# Allegro board Learn.brd (continued)
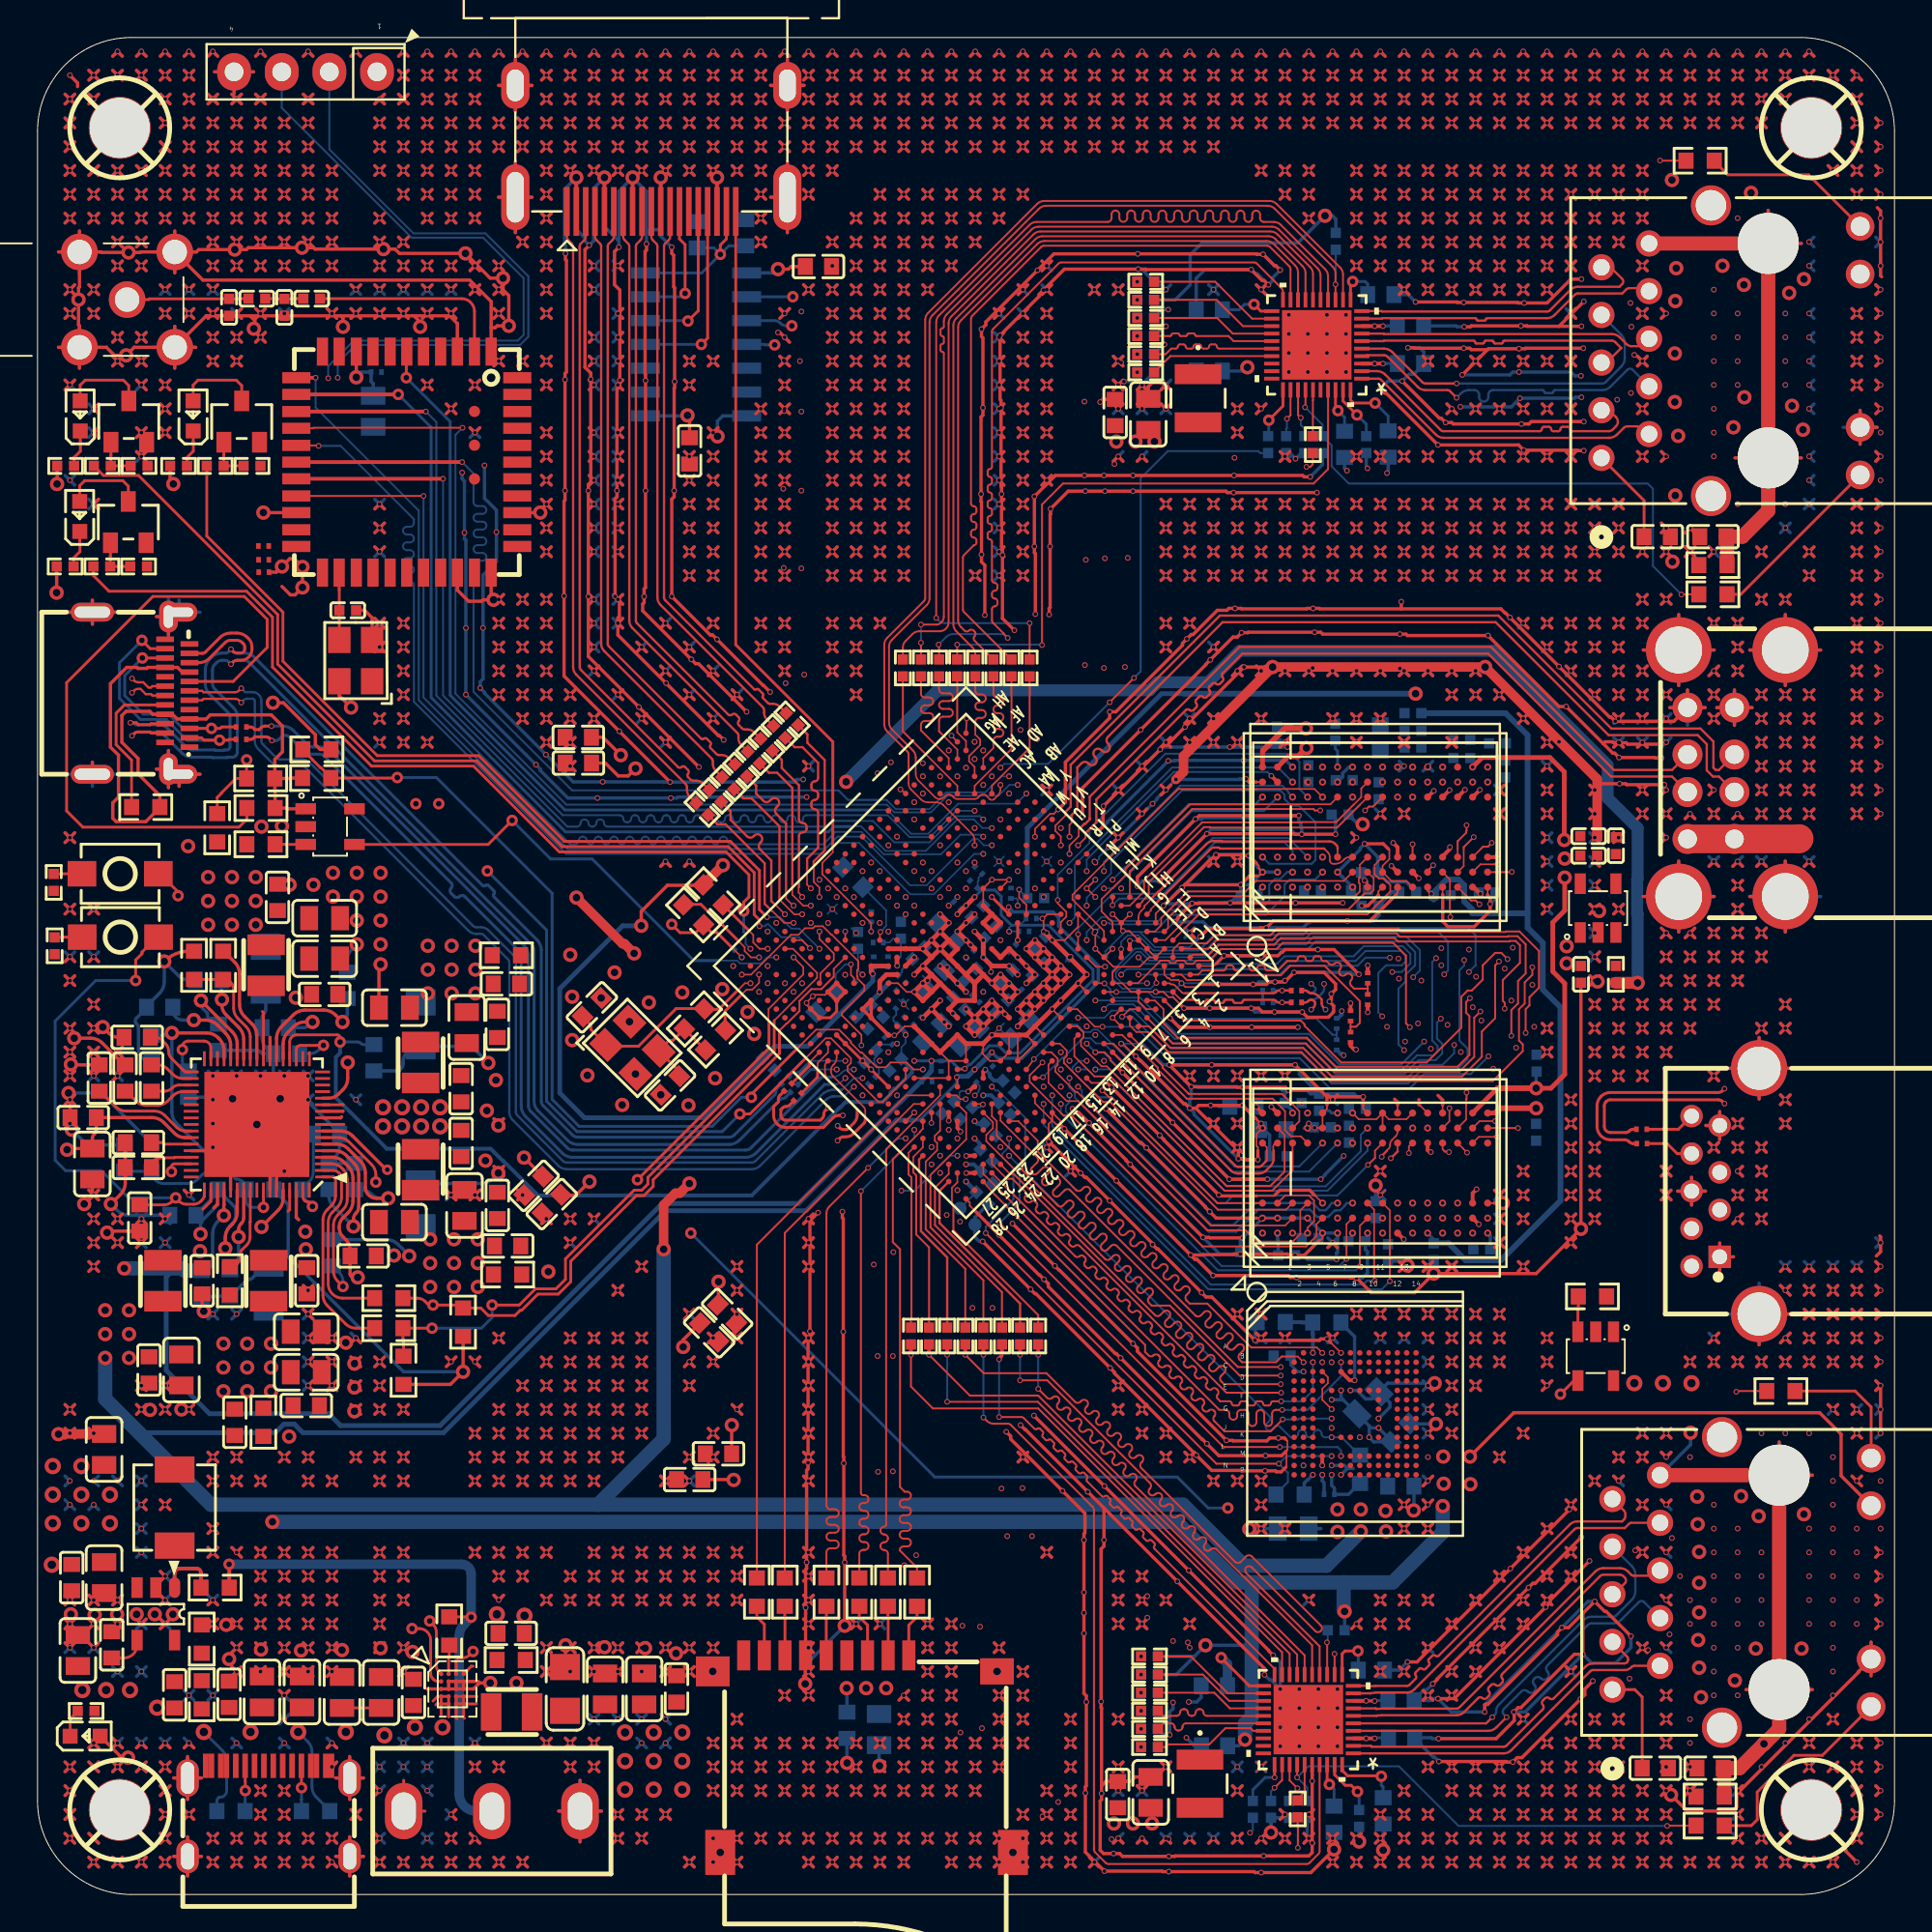
[diagram p0: board, top side]
## Routing (per net, layer and track width the routed paths; a pad name or vN(x,y) marks a point on that pad's centre or on a via; arc(x,y) is an arc through that point) (continued)
DDR4_DQU6_A: length 15.7
  TOP w0.089: 55.47,50.41 v1(55.47,51.18)
  BOTTOM w0.089: v1(55.47,51.18) 55.47,51.5 57.3,53.34 59.11,53.34
  BOTTOM w0.104: 59.11,53.34 59.67,53.34 62.64,56.31 66.68,56.31 v1(67.7,55.3)
DDR4_DQU6_B: length 20.2
  TOP w0.089: U7.D3 67.31,36.47 67.31,35.2 66.95,34.85 ; U5.D15 53.89,44.24 53.89,43.27 54.86,42.29 55.47,42.29 55.62,42.15
  TOP w0.104: 66.95,34.85 66.9,34.8 65,34.8 64.39,35.41 62.36,35.41 55.62,42.15
DDR4_DQU7_A: length 21.5
  TOP w0.089: U5.L7 54.55,51.83 54.84,52.12 54.84,52.37 54.38,52.83 v1(54.38,53.01)
  BOTTOM w0.089: v1(54.38,53.01) 54.38,54.36 56.07,56.05 56.07,56.38
  BOTTOM w0.104: v1(67.7,58.5) 67.26,58.93 67.26,60.38 66.83,60.81 60.12,60.81 56.07,56.76 56.07,56.38
DDR4_DQU7_B: length 13.4
  TOP w0.089: 57.31,45.81 57.82,45.81 58.12,45.52 58.17,45.52 58.58,45.11 ; U7.D7 67.34,40.41 66.83,40.41 66.5,40.74 66.5,41.76 66.17,42.09
  TOP w0.104: 58.58,45.11 58.65,45.03 58.75,45.03 59.72,44.07 59.72,43.97 61.26,42.42 65.84,42.42 66.17,42.09
DDR4_ODT0: length 13.9
  TOP w0.089: U5.E8 v1(57.51,48.11)
  BOTTOM w0.089: 60.61,47.14 59.92,47.83 59.49,47.83 59.21,48.11 v1(57.51,48.11)
  BOTTOM w0.104: R38.1 69.25,45.82 ; 69.25,45.82 69.04,45.82 68.17,46.69 61.06,46.69 60.61,47.14 ; 69.25,45.82 R37.2
DDR4_ODT0_A: length 11.5
  TOP w0.203: v1(72.26,56.06) 72.5,55.82 U6.K3
  SIG w0.104: v1(69.52,47.09) 69.52,47.38 69.49,47.41 69.49,49.02 71.81,51.33 71.81,55.6 v1(72.26,56.06)
  BOTTOM w0.203: R37.1 69.32,46.71 69.52,46.91 v1(69.52,47.09)
DDR4_ODT0_B: length 10.6
  SIG w0.104: v1(72.5,36.85) 72.5,37.33 arc(72.44,37.46) 72.32,37.51 arc(72.19,37.57) 72.14,37.69 72.14,37.75 arc(72.19,37.88) 72.32,37.93 arc(72.44,37.98) 72.5,38.11 72.5,38.17 arc(72.44,38.29) 72.32,38.35 arc(72.19,38.4) 72.14,38.53 72.14,38.58 arc(72.19,38.71) 72.32,38.76 arc(72.44,38.82) 72.5,38.94 72.5,39.57 72.31,39.75 72.31,39.93 72.09,40.16 72.09,42.67 70.23,44.52 69.83,44.52 v1(69.62,44.73)
  BOTTOM w0.203: v1(69.62,44.73) 69.55,44.81 69.46,44.81 R38.2
DDR4_RESETN: length 44.9
  TOP w0.089: U5.F11 55.42,47.19 56.36,46.25 v1(56.77,46.25) ; 76.1,53.29 U6.P1
  TOP w0.104: 76.1,53.29 76.41,52.99 76.65,52.99 v1(76.86,52.78)
  SIG w0.104: v1(75.7,35.25) 76.33,35.88 76.33,38.48 77.09,39.24 77.09,42.06 77.27,42.24 77.27,43.84 77.24,43.87 77.24,44.29 77.34,44.39 v1(77.34,44.68) 77.34,48.06 77.55,48.26 77.55,51.94 77.37,52.12 77.37,52.27 v1(76.86,52.78)
  BOTTOM w0.089: v1(56.77,46.25) 58.52,46.25 59.12,45.65
  BOTTOM w0.104: v1(77.34,44.68) 76.4,43.74 73.91,43.74 73.15,42.98 68.88,42.98 67.28,44.58 60.2,44.58 59.12,45.65
DDRPHY_VREFOUT: length 29.5
  TOP w0.089: v1(52.32,53.57) 52.32,53.14 52.71,52.75 U5.P8
  BOTTOM w0.089: C98.1 52.32,53.55 v1(52.32,53.57)
  BOTTOM w0.254: 61.11,64.01 59.92,64.01 52.76,56.85 C98.1
  BOTTOM w0.305: 61.11,64.01 v3(73.46,64.01)
EMMC_CLK: length 27.8
  TOP w0.104: v1(51.28,35.79) 63.17,23.91 arc(63.23,23.86) 63.3,23.85 v1(66.22,23.85)
  BOTTOM w0.089: v1(51.79,39.38) 52.32,38.85
  BOTTOM w0.104: v1(51.28,35.79) 52.35,36.86 52.35,38.82 52.32,38.85 ; v1(66.22,23.85) 69.29,23.85 69.48,23.66 v1(69.48,23.37)
EMMC_CMD: length 31.8
  TOP w0.104: v1(66.17,22.96) 62.84,22.96 v1(50.55,35.26)
  BOTTOM w0.089: v1(51.79,40.3) 51.79,39.85 51.44,39.5 51.44,39.29 52.02,38.71 52.02,38.55
  BOTTOM w0.104: v1(68.98,23.37) 66.58,23.37 v1(66.17,22.96) 66.65,22.48 66.65,21.98 66.02,21.35 R52.2 ; 52.02,38.55 52.02,37.06 50.55,35.59 v1(50.55,35.26)
EMMC_D0: length 33
  TOP w0.089: U5.A24 51.85,38.4 51.88,38.4
  TOP w0.104: v1(66.27,27.2) 63.25,27.2 63.09,27.36 arc(63.03,27.5) 63.09,27.65 63.27,27.83 arc(63.27,28.12) 62.97,28.12 62.8,27.94 arc(62.5,27.94) 62.5,28.24 62.68,28.41 arc(62.68,28.71) 62.39,28.71 62.21,28.53 arc(61.92,28.53) 61.92,28.83 62.09,29 arc(62.09,29.3) 61.8,29.3 61.62,29.12 arc(61.33,29.12) 61.33,29.42 61.5,29.59 arc(61.5,29.89) 61.21,29.89 61.03,29.71 arc(60.74,29.71) 60.74,30.01 60.91,30.18 arc(60.91,30.48) 60.62,30.48 60.44,30.3 arc(60.15,30.3) 60.15,30.6 60.32,30.77 arc(60.32,31.07) 60.03,31.07 59.85,30.89 arc(59.71,30.83) 59.56,30.89 52.63,37.82 52.04,38.4 51.88,38.4
  SIG w0.104: v1(67.98,28.87) 65.98,28.87 65.63,28.52 65.63,27.55 65.98,27.2 v1(66.27,27.2)
  BOTTOM w0.104: 67.98,29.86 67.98,29.91 67.97,29.92
  BOTTOM w0.203: v1(67.98,28.87) 67.98,29.86 67.97,29.87 R51.2 67.38,30.49 67.36,30.51 R50.2
EMMC_D1: length 30.1
  TOP w0.089: 53.31,39.84 53.31,40.18 52.29,41.2 52.29,41.22 U5.C21 ; v1(68.48,28.87) 68.19,29.16 66.55,29.16
  TOP w0.104: 53.31,39.84 53.31,39.6 55.36,37.55 55.36,37.55 arc(55.51,37.5) 55.65,37.56 55.76,37.67 arc(56.06,37.67) 56.06,37.38 55.94,37.26 arc(55.94,36.97) 56.24,36.97 56.35,37.08 arc(56.65,37.08) 56.65,36.79 56.53,36.67 arc(56.53,36.38) 56.83,36.38 56.94,36.49 arc(57.23,36.49) 57.23,36.2 57.12,36.09 arc(57.12,35.79) 57.42,35.79 57.53,35.9 arc(57.82,35.9) 57.82,35.61 57.71,35.5 arc(57.71,35.2) 58.01,35.2 58.12,35.31 arc(58.41,35.31) 58.41,35.02 58.3,34.91 arc(58.3,34.61) 58.6,34.61 58.71,34.72 arc(59,34.72) 59,34.43 58.89,34.32 arc(58.89,34.02) 59.19,34.02 59.3,34.13 arc(59.59,34.13) 59.59,33.84 59.48,33.73 arc(59.48,33.43) 59.77,33.43 59.89,33.55 arc(60.18,33.55) 60.18,33.25 60.07,33.14 arc(60.07,32.84) 60.36,32.84 60.48,32.96 arc(60.77,32.96) 60.77,32.66 60.66,32.55 arc(60.66,32.25) 60.95,32.25 61.06,32.37 arc(61.36,32.37) 61.36,32.07 61.25,31.96 arc(61.19,31.81) 61.25,31.67 61.42,31.5 62.36,31.5 64.69,29.16 66.55,29.16
EMMC_D2: length 29.4
  TOP w0.089: U5.B24 50.87,38.94 51.64,38.17
  TOP w0.104: v1(66.29,26.75) 63.37,26.75 55.54,34.58 arc(55.43,34.62) 55.31,34.58 arc(55.2,34.53) 55.08,34.58 55.02,34.64 arc(54.97,34.76) 55.02,34.87 arc(55.07,34.99) 55.02,35.1 54.95,35.17 arc(54.84,35.21) 54.72,35.17 arc(54.61,35.12) 54.49,35.17 54.43,35.23 arc(54.38,35.34) 54.43,35.46 arc(54.48,35.57) 54.43,35.69 54.36,35.75 arc(54.25,35.8) 54.13,35.75 arc(54.02,35.71) 53.9,35.75 53.84,35.82 arc(53.79,35.93) 53.84,36.05 arc(53.89,36.16) 53.84,36.28 53.78,36.34 arc(53.66,36.39) 53.55,36.34 arc(53.43,36.3) 53.32,36.34 53.25,36.41 arc(53.2,36.52) 53.25,36.64 arc(53.3,36.75) 53.25,36.87 53.19,36.93 arc(53.07,36.98) 52.96,36.93 arc(52.84,36.89) 52.73,36.93 52.66,37 arc(52.61,37.11) 52.66,37.23 arc(52.71,37.34) 52.66,37.46 51.97,38.15 51.66,38.15 51.64,38.17
  SIG w0.104: v1(68.98,28.87) 68.98,28.88 69.34,29.24 69.88,29.24 70.03,29.08 70.03,28.4 69.32,27.69 69.32,27.23 68.83,26.75 v1(66.29,26.75)
EMMC_D3: length 29.8
  TOP w0.089: 53.03,39.56 51.33,41.25 U5.D21 ; 66.55,28.68 67.18,28.68 v1(67.48,28.37)
  TOP w0.104: 66.55,28.68 66.32,28.68 66.01,28.37 64.21,28.37 64.07,28.51 arc(64.01,28.66) 64.07,28.8 64.25,28.98 arc(64.25,29.27) 63.95,29.27 63.78,29.1 arc(63.49,29.1) 63.49,29.39 63.66,29.57 arc(63.66,29.86) 63.37,29.86 63.19,29.69 arc(62.9,29.69) 62.9,29.98 63.07,30.16 arc(63.07,30.45) 62.78,30.45 62.6,30.28 arc(62.31,30.28) 62.31,30.57 62.48,30.75 arc(62.48,31.04) 62.19,31.04 62.01,30.87 arc(61.88,30.81) 61.73,30.85 61.73,30.85 55.04,37.54 arc(54.9,37.6) 54.75,37.54 54.47,37.26 arc(54.18,37.26) 54.18,37.56 54.46,37.83 arc(54.46,38.13) 54.16,38.13 53.89,37.86 arc(53.59,37.86) 53.59,38.15 53.87,38.42 arc(53.87,38.72) 53.57,38.72 53.29,38.44 arc(53,38.44) 53,38.73 53.28,39.01 arc(53.34,39.16) 53.28,39.31 53.03,39.56
EMMC_D4: length 29.5
  TOP w0.089: U5.A25 51.4,37.93
  TOP w0.104: 51.4,37.93 55.31,34.02 arc(55.43,33.97) 55.54,34.02 arc(55.65,34.07) 55.77,34.02 55.83,33.95 arc(55.88,33.84) 55.83,33.73 arc(55.79,33.61) 55.83,33.5 55.9,33.43 arc(56.01,33.38) 56.13,33.43 arc(56.24,33.48) 56.36,33.43 56.42,33.37 arc(56.47,33.25) 56.42,33.14 arc(56.38,33.02) 56.42,32.91 56.49,32.84 arc(56.6,32.79) 56.72,32.84 arc(56.83,32.89) 56.95,32.84 57.01,32.78 arc(57.06,32.66) 57.01,32.55 arc(56.97,32.43) 57.01,32.32 57.08,32.25 arc(57.19,32.21) 57.31,32.25 arc(57.42,32.3) 57.54,32.25 57.6,32.19 arc(57.65,32.07) 57.6,31.96 arc(57.55,31.84) 57.6,31.73 57.67,31.66 arc(57.78,31.62) 57.9,31.66 arc(58.01,31.71) 58.13,31.66 58.19,31.6 arc(58.24,31.48) 58.19,31.37 arc(58.14,31.25) 58.19,31.14 58.26,31.07 arc(58.37,31.03) 58.49,31.07 arc(58.6,31.12) 58.71,31.07 58.78,31.01 arc(58.83,30.89) 58.78,30.78 arc(58.73,30.67) 58.78,30.55 58.85,30.48 arc(58.96,30.44) 59.08,30.49 arc(59.19,30.53) 59.3,30.49 59.37,30.42 arc(59.42,30.3) 59.37,30.19 arc(59.32,30.08) 59.37,29.96 59.44,29.9 arc(59.55,29.85) 59.66,29.9 arc(59.78,29.94) 59.89,29.9 59.96,29.83 arc(60.01,29.72) 59.96,29.6 59.96,29.6 arc(59.91,29.49) 59.96,29.37 60.03,29.31 arc(60.14,29.26) 60.25,29.31 arc(60.37,29.35) 60.48,29.31 60.55,29.24 arc(60.6,29.13) 60.55,29.01 arc(60.5,28.9) 60.55,28.78 60.61,28.72 arc(60.73,28.67) 60.84,28.72 arc(60.96,28.76) 61.07,28.72 61.14,28.65 arc(61.19,28.54) 61.14,28.42 arc(61.09,28.31) 61.14,28.19 61.2,28.13 arc(61.32,28.08) 61.43,28.13 arc(61.55,28.18) 61.66,28.13 61.73,28.06 arc(61.77,27.95) 61.73,27.83 61.73,27.83 arc(61.68,27.72) 61.73,27.6 61.79,27.54 arc(61.91,27.49) 62.02,27.54 arc(62.14,27.59) 62.25,27.54 62.32,27.47 arc(62.36,27.36) 62.32,27.24 arc(62.27,27.13) 62.32,27.02 62.38,26.95 arc(62.5,26.9) 62.61,26.95 arc(62.73,27) 62.84,26.95 62.91,26.88 arc(62.95,26.77) 62.91,26.65 arc(62.86,26.54) 62.91,26.43 63.04,26.29 63.54,26.29 arc(63.62,26.26) 63.66,26.18 arc(63.69,26.1) 63.77,26.06 63.96,26.06 arc(64.04,26.1) 64.07,26.18 arc(64.11,26.26) 64.19,26.29 64.38,26.29 arc(64.46,26.26) 64.49,26.18 arc(64.52,26.1) 64.6,26.06 64.79,26.06 arc(64.87,26.1) 64.91,26.18 arc(64.94,26.26) 65.02,26.29 65.21,26.29 arc(65.29,26.26) 65.32,26.18 arc(65.36,26.1) 65.44,26.06 65.63,26.06 arc(65.71,26.1) 65.74,26.18 arc(65.77,26.26) 65.85,26.29 v1(66.29,26.29)
  BOTTOM w0.104: v1(67.98,28.37) 67.98,26.86 67.41,26.29 v1(66.29,26.29)
EMMC_D5: length 30
  TOP w0.089: 52.5,39.03 52.5,39.08 51.13,40.45 51.13,41.22 50.87,41.48 U5.E21
  TOP w0.104: v1(66.27,28.12) 63.98,28.12 57.52,34.58 arc(57.38,34.64) 57.23,34.58 57.03,34.37 arc(56.73,34.37) 56.73,34.67 56.93,34.87 arc(56.93,35.17) 56.64,35.17 56.44,34.96 arc(56.14,34.96) 56.14,35.26 56.35,35.46 arc(56.35,35.76) 56.05,35.76 55.85,35.55 arc(55.55,35.55) 55.55,35.85 55.76,36.05 arc(55.76,36.34) 55.46,36.34 55.26,36.14 arc(54.96,36.14) 54.96,36.44 55.17,36.64 arc(55.17,36.93) 54.87,36.93 54.67,36.73 arc(54.5,36.67) 54.35,36.76 52.5,38.61 52.5,39.03
  SIG w0.104: v1(68.48,28.37) 68.48,27.82 68.1,27.44 67.25,27.44 66.57,28.12 v1(66.27,28.12)
EMMC_D6: length 30
  TOP w0.089: U5.E22 50.93,41.16 50.93,40.84 50.57,40.49 50.57,40.16 52.1,38.63
  TOP w0.104: v1(66.27,27.66) 64.08,27.66 60.35,31.39 59.39,31.39 59.25,31.53 arc(59.19,31.67) 59.25,31.82 59.4,31.97 arc(59.4,32.27) 59.11,32.27 58.96,32.12 arc(58.66,32.12) 58.66,32.41 58.81,32.56 arc(58.81,32.86) 58.52,32.86 58.37,32.71 arc(58.07,32.71) 58.07,33 58.22,33.15 arc(58.22,33.45) 57.93,33.45 57.78,33.3 arc(57.48,33.3) 57.48,33.59 57.63,33.74 arc(57.63,34.04) 57.34,34.04 57.19,33.88 arc(57.04,33.82) 56.89,33.88 52.15,38.63 52.1,38.63
  SIG w0.104: v1(66.27,27.66) 66.56,27.66 67.07,27.15 68.17,27.15 68.98,27.96 v1(68.98,28.37)
EMMC_D7: length 29.7
  TOP w0.089: U5.B25 50.41,38.41 51.15,37.68
  TOP w0.104: 51.15,37.68 62.99,25.83 63.32,25.83 arc(63.47,25.77) 63.53,25.62 63.53,25.51 arc(63.74,25.3) 63.95,25.51 63.95,25.62 arc(64.01,25.77) 64.15,25.83 64.35,25.83 arc(64.49,25.77) 64.56,25.62 64.56,25.18 arc(64.76,24.97) 64.97,25.18 64.97,25.62 arc(65.18,25.83) 65.39,25.62 65.39,25.18 arc(65.6,24.97) 65.8,25.18 65.8,25.62 arc(65.87,25.77) 66.01,25.83 v1(66.34,25.83)
  BOTTOM w0.104: v1(66.34,25.83) 67.69,25.83 69.48,27.62 v1(69.48,28.37)
EMMC_DS: length 27.2
  TOP w0.089: U5.A26 50.9,37.43
  TOP w0.104: 50.9,37.43 59.04,29.29 59.04,28.92 59.22,28.74 arc(59.35,28.68) 59.49,28.74 arc(59.62,28.8) 59.76,28.74 59.78,28.71 arc(59.84,28.58) 59.78,28.45 arc(59.73,28.31) 59.78,28.18 59.81,28.15 arc(59.94,28.1) 60.08,28.15 arc(60.21,28.21) 60.35,28.15 60.37,28.12 arc(60.43,27.99) 60.37,27.86 arc(60.32,27.72) 60.37,27.59 60.4,27.56 arc(60.53,27.51) 60.67,27.56 arc(60.8,27.62) 60.93,27.56 60.96,27.53 arc(61.02,27.4) 60.96,27.27 arc(60.91,27.13) 60.96,27 60.99,26.97 arc(61.12,26.92) 61.26,26.97 arc(61.39,27.03) 61.52,26.97 61.55,26.95 arc(61.61,26.81) 61.55,26.68 arc(61.5,26.54) 61.55,26.41 61.58,26.38 arc(61.71,26.33) 61.85,26.38 arc(61.98,26.44) 62.11,26.38 62.14,26.36 arc(62.2,26.22) 62.14,26.09 arc(62.08,25.95) 62.14,25.82 62.17,25.79 arc(62.3,25.74) 62.43,25.79 arc(62.57,25.85) 62.7,25.79 62.73,25.77 arc(62.78,25.63) 62.73,25.5 62.73,25.5 arc(62.67,25.36) 62.73,25.23 63.27,24.69 65.74,24.69 v1(66.37,25.32)
  BOTTOM w0.104: v1(68.98,25.37) 67.25,25.37 67.21,25.32 v1(66.37,25.32)
EMMC_RES: length 31.2
  BOTTOM w0.089: 52.65,39.18 52.65,41.4 51.2,42.86 51.07,42.86 v1(50.87,43.06)
  BOTTOM w0.104: 52.65,39.18 52.65,38.51 65.64,25.52 arc(65.71,25.37) 65.64,25.22 65.52,25.1 arc(65.52,24.8) 65.81,24.8 65.94,24.93 arc(66.09,24.99) 66.23,24.93 66.79,24.37 67,24.37 arc(67.14,24.43) 67.2,24.57 arc(67.25,24.71) 67.39,24.77 67.42,24.77 arc(67.56,24.71) 67.61,24.57 arc(67.67,24.43) 67.81,24.37 67.83,24.37 arc(67.97,24.43) 68.03,24.57 arc(68.09,24.71) 68.23,24.77 68.25,24.77 arc(68.39,24.71) 68.45,24.57 arc(68.5,24.43) 68.64,24.37 v1(68.98,24.37) 69.52,24.37 70.47,23.42 R53.2
ETH0_LED0: length 2.2
  TOP w0.089: 66.34,6.69 U11.32
  TOP w0.104: v1(65.94,5.69) 66.34,6.09 66.34,6.69
  BOTTOM w0.104: R81.1 65.75,5.5 v1(65.94,5.69)
ETH0_LED1: length 38.9
  TOP w0.089: U11.33 66.74,6.69
  TOP w0.104: v1(67.16,5.66) 66.74,6.08 66.74,6.69 ; R89.1 90.59,26.84 v1(90.55,26.8)
  SIG w0.104: v1(90.55,26.8) 88.82,26.8 87.02,24.99 84.58,24.99 72.06,12.47 72.06,8.03 70.43,6.4 67.79,6.4 67.59,6.2 67.59,5.8 67.45,5.66 v1(67.16,5.66)
  BOTTOM w0.104: v1(67.16,5.66) 66.71,5.22 R82.1
ETH0_LED2: length 25
  TOP w0.089: U11.34 67.14,6.69
  TOP w0.104: v1(86.87,3.66) 86.88,3.67 R88.1 ; 67.14,6.69 v1(67.14,6.24)
  BOTTOM w0.104: v1(86.87,3.66) 75.74,3.66 72.57,6.83 67.74,6.83 v1(67.14,6.24) 67.68,5.7 R83.1
ETH0_MCLKIN125M: length 58.7
  TOP w0.104: v1(67.18,2.49) 67.18,3.68 67.17,3.7 R84.2
  SIG w0.089: v1(48.57,40.76) 47.9,41.43 46.91,41.43 45.5,40.01
  SIG w0.104: 45.5,40.01 45.24,39.75 45.24,19.08 49.76,14.55 49.76,8.9 56.13,2.53 57.19,2.53 57.2,2.54 57.51,2.54 57.51,2.53 66.85,2.53 66.89,2.49 v1(67.18,2.49)
ETH0_MCLKIN125M_SOC: length 2.1
  TOP w0.089: U11.35 67.54,6.69
  TOP w0.104: R84.1 67.17,5.09 67.54,5.46 67.54,6.69
ETH0_MDI0+: length 18.2
  TOP w0.089: U11.1 70.37,7.52
  TOP w0.124: 71.04,7.52 78.15,7.52 arc(78.37,7.56) 78.55,7.69 82.77,11.9 arc(82.84,11.95) 82.92,11.96 84.59,11.96 arc(84.79,12) 84.97,12.12 84.98,12.13 arc(85.05,12.18) 85.13,12.19 U12.P2 ; 71.04,7.52 71.04,7.52 ; 71.04,7.52 70.37,7.52
ETH0_MDI0-: length 18.3
  TOP w0.089: 70.37,7.92 U11.2
  TOP w0.124: 70.37,7.92 71.07,7.92 71.07,7.92 71.12,7.87 78.15,7.87 arc(78.24,7.89) 78.3,7.94 80.24,9.87 arc(80.29,9.99) 80.24,10.1 arc(80.19,10.22) 80.24,10.34 80.36,10.46 arc(80.47,10.5) 80.59,10.46 arc(80.71,10.41) 80.82,10.46 82.52,12.15 arc(82.7,12.27) 82.92,12.32 84.59,12.32 arc(84.66,12.33) 84.72,12.37 84.74,12.39 arc(84.78,12.45) 84.79,12.52 84.79,12.54 arc(84.78,12.61) 84.74,12.67 U12.P3
ETH0_MDI1+: length 21.1
  TOP w0.089: 70.37,8.72 U11.4
  TOP w0.124: v1(78.31,9.45) 77.76,8.9 arc(77.56,8.77) 77.32,8.72 70.37,8.72
  BOTTOM w0.124: U12.P4 85.62,15.6 arc(85.5,15.65) 85.37,15.6 84.41,14.63 arc(84.21,14.5) 83.97,14.45 82.84,14.45 arc(82.73,14.43) 82.65,14.37 80.49,12.22 arc(80.42,12.04) 80.49,11.87 arc(80.56,11.7) 80.49,11.53 80.48,11.52 arc(80.31,11.45) 80.14,11.52 arc(79.97,11.59) 79.79,11.52 79.79,11.51 arc(79.72,11.34) 79.79,11.17 arc(79.86,11) 79.79,10.83 79.78,10.82 arc(79.61,10.75) 79.44,10.82 79.44,10.82 arc(79.26,10.89) 79.09,10.82 78.15,9.88 arc(78.12,9.82) 78.1,9.76 78.1,9.73 arc(78.12,9.66) 78.16,9.6 v1(78.31,9.45)
ETH0_MDI1-: length 21.1
  TOP w0.124: v1(77.54,9.45) 77.22,9.12 U11.5
  BOTTOM w0.124: U12.P7 84.99,17.5 arc(85.12,17.3) 85.17,17.06 85.17,16.15 arc(85.12,15.91) 84.99,15.71 84.16,14.88 arc(84.07,14.83) 83.97,14.81 82.84,14.81 arc(82.6,14.76) 82.4,14.62 77.9,10.13 arc(77.79,9.96) 77.75,9.76 77.75,9.74 arc(77.73,9.66) 77.68,9.59 v1(77.54,9.45)
ETH0_MDI2+: length 19.6
  TOP w0.089: U11.6 70.37,9.52
  TOP w0.124: 70.37,9.52 71.37,9.52 ; 71.37,9.52 71.37,9.53 ; 71.37,9.52 71.39,9.54 71.67,9.56 75.64,9.56 arc(75.86,9.6) 76.04,9.72 76.79,10.47 arc(76.9,10.52) 77.02,10.47 arc(77.13,10.42) 77.25,10.47 77.37,10.59 arc(77.42,10.71) 77.37,10.82 arc(77.32,10.93) 77.37,11.05 77.49,11.17 arc(77.6,11.22) 77.72,11.17 arc(77.83,11.12) 77.95,11.17 78.07,11.29 arc(78.12,11.41) 78.07,11.52 arc(78.02,11.64) 78.07,11.75 83.28,16.96 arc(83.37,17.02) 83.47,17.04 84.34,17.04 arc(84.45,17.02) 84.53,16.96 84.62,16.88 arc(84.68,16.74) 84.62,16.59 84.02,16 U12.P5
ETH0_MDI2-: length 19.7
  TOP w0.089: 70.37,9.92 U11.7
  TOP w0.124: 70.37,9.92 71.33,9.92 71.35,9.91 71.37,9.89 71.66,9.91 75.64,9.91 arc(75.72,9.92) 75.79,9.97 83.03,17.21 arc(83.24,17.35) 83.47,17.4 84.34,17.4 arc(84.58,17.35) 84.78,17.21 84.96,17.04 arc(85.01,17) 85.08,16.99 86.01,16.99 arc(86.19,17.02) 86.34,17.12 U12.P6
ETH0_MDI3+: length 20.1
  TOP w0.089: U11.9 70.37,10.72
  TOP w0.124: 71.04,10.72 71.04,10.72 ; 71.04,10.72 70.37,10.72 ; 71.04,10.72 71.34,10.76 72.99,10.76 arc(73.21,10.81) 73.39,10.93 81.93,19.47 arc(82,19.52) 82.08,19.53 84.61,19.53 84.84,19.76 arc(84.89,19.8) 84.96,19.81 U12.P8
ETH0_MDI3-: length 20
  TOP w0.089: 70.37,11.12 U11.10
  TOP w0.124: 70.37,11.12 71.02,11.12 71.02,11.13 71.05,11.1 71.33,11.12 72.99,11.12 arc(73.07,11.13) 73.14,11.18 73.47,11.51 arc(73.5,11.59) 73.47,11.68 arc(73.43,11.76) 73.47,11.85 73.65,12.03 arc(73.73,12.06) 73.82,12.03 arc(73.9,11.99) 73.99,12.03 74.17,12.21 arc(74.2,12.29) 74.17,12.38 arc(74.13,12.46) 74.17,12.55 74.35,12.73 arc(74.43,12.76) 74.52,12.73 arc(74.6,12.69) 74.69,12.73 81.68,19.72 arc(81.86,19.84) 82.08,19.89 84.46,19.89 84.59,20.01 arc(84.62,20.07) 84.64,20.13 84.64,20.28 arc(84.62,20.38) 84.56,20.47 U12.P9
ETH0_REFCLKO25M: length 47.3
  TOP w0.089: 68.34,6.69 U11.37
  TOP w0.104: v1(50.42,25.43) 50.6,25.25 arc(50.77,25.13) 50.97,25.1 51.74,25.1 arc(51.81,25.08) 51.87,25.04 56.26,20.65 arc(56.3,20.59) 56.31,20.52 56.31,2.39 arc(56.33,2.32) 56.37,2.26 56.94,1.68 arc(57,1.64) 57.08,1.63 67.66,1.63 arc(67.74,1.64) 67.8,1.68 68.29,2.17 arc(68.33,2.23) 68.34,2.3 68.34,6.69
  TOP w0.203: R66.1 v1(50.42,28.77)
  BOTTOM w0.104: v1(50.42,28.77) v1(50.42,25.43)
ETH0_REFCLKO25M_SOC: length 14.1
  TOP w0.089: U5.G23 49.5,41.67 49.5,40.26 47.6,38.35 47.6,37.91
  TOP w0.104: 47.6,37.91 47.6,35.56 50.42,32.74 R66.2
ETH0_VCC_1V: length 18.2
  TOP w0.089: U11.11 69.54,11.95 ; U11.21 65.11,11.12 ; 69.54,6.69 U11.40 ; 68.74,6.69 U11.38
  TOP w0.152: v2(71.63,6.3) 71.6,6.32 69.83,6.32 69.54,6.62 69.54,6.69 ; v1(71.27,10.31) 71.25,10.31 71.24,10.32 v1(70.83,10.32) ; v2(63.09,12.62) 64.6,11.12 65.11,11.12 ; 69.54,11.95 69.54,12.83 69.69,12.98 v2(70.38,12.98) ; 68.74,6.69 68.74,5.99 v2(68.86,5.87)
  TOP w0.203: v1(71.27,8.32) v1(70.83,8.32) U11.3 ; U11.8 v1(70.83,10.32)
  BOTTOM w0.152: C176.1 71.3,10.34 v1(71.27,10.31) 70.83,10.31 v1(70.83,10.32) ; v2(71.63,6.3) 71.63,5.83 71.73,5.73 C181.1 ; v2(70.38,12.98) 70.4,12.96 C175.1 ; v1(70.83,8.32) v1(71.27,8.32) 71.3,8.35 C177.1 ; v2(68.86,5.87) 69.11,5.62 C179.1
  BOTTOM w0.508: v2(63.09,12.62) 63.43,12.29 C180.1
  vias: v3(57.38,3.78) v3(58.39,3.78) v3(59.41,3.78)
ETH1_LED0: length 2.6
  TOP w0.089: U13.32 66.79,79.97
  TOP w0.104: v1(66.6,78.66) 66.79,78.85 66.79,79.97
  BOTTOM w0.104: R111.1 66.56,78.15 66.6,78.19 v1(66.6,78.66)
ETH1_LED1: length 44.5
  TOP w0.089: U13.33 67.19,79.97
  TOP w0.104: R119.1 86.5,92.42 v1(86.49,92.43) ; v1(67.34,78.71) 67.19,78.86 67.19,79.97
  SIG w0.104: v1(67.34,78.71) 67.63,78.71 68.38,77.96 68.38,76.23 69.8,74.8 85.98,74.8 88.19,77.01 88.19,87.76 86.49,89.46 v1(86.49,92.43)
  BOTTOM w0.104: v1(67.34,78.71) 67.34,78.34 67.53,78.15 R112.1
ETH1_LED2: length 29.5
  TOP w0.089: U13.34 67.59,79.97
  TOP w0.104: R117.1 87.64,69.3 v1(87.63,69.29) ; v1(67.56,79.27) 67.56,79.3 67.59,79.32 67.59,79.97
  BOTTOM w0.104: v1(67.56,79.27) 68.49,78.35 R113.1 68.99,77.24 68.99,76.12 69.9,75.21 85.83,75.21 86.11,74.93 86.11,70.82 v1(87.63,69.29)
ETH1_MCLKIN125M: length 30.9
  TOP w0.104: R114.2 67.98,76.42 67.97,76.4 67.97,76.23 67.84,76.1 v1(67.64,76.1)
  SIG w0.089: 52.11,60.34 51.37,59.6 v1(50.87,59.6)
  SIG w0.104: v1(67.64,76.1) 57.79,76.1 57.51,75.82 57.51,65.13 53.57,61.19 52.96,61.19 52.11,60.34
ETH1_MCLKIN125M_SOC: length 2.5
  TOP w0.089: 67.99,79.97 U13.35
  TOP w0.104: 67.99,79.97 67.99,79.66 67.98,79.65 R114.1
ETH1_MDI0+: length 16.9
  TOP w0.089: 70.82,80.8 U13.1
  TOP w0.124: U14.P2 85.67,78.08 arc(85.47,78.21) 85.24,78.26 84.75,78.26 arc(84.64,78.24) 84.55,78.18 84.2,77.83 arc(84,77.7) 83.77,77.65 74.94,77.65 arc(74.73,77.69) 74.54,77.81 71.61,80.75 arc(71.55,80.79) 71.49,80.8 70.82,80.8
ETH1_MDI0-: length 16.9
  TOP w0.089: 70.82,81.2 U13.2
  TOP w0.124: 70.82,81.2 71.4,81.2 arc(71.64,81.15) 71.84,81.02 74.79,78.06 arc(74.86,78.02) 74.94,78 80.07,78 arc(80.15,78.03) 80.19,78.12 arc(80.22,78.2) 80.31,78.23 80.57,78.23 arc(80.65,78.2) 80.68,78.12 arc(80.72,78.03) 80.8,78 81.06,78 arc(81.15,78.03) 81.18,78.12 arc(81.21,78.2) 81.3,78.23 81.56,78.23 arc(81.64,78.2) 81.68,78.12 arc(81.71,78.03) 81.79,78 83.77,78 arc(83.87,78.02) 83.96,78.08 84.14,78.26 arc(84.24,78.51) 84.14,78.75 83.91,78.98 arc(83.76,79.08) 83.58,79.12 U14.P3
ETH1_MDI1+: length 18.2
  TOP w0.089: U13.4 70.82,82
  TOP w0.124: v1(75.64,79.78) 75.28,80.14 arc(75.23,80.18) 75.16,80.19 73.98,80.19 arc(73.76,80.23) 73.58,80.36 71.96,81.97 arc(71.88,82.03) 71.77,82.05 70.87,82.05 70.82,82
  BOTTOM w0.124: v1(75.64,79.78) 75.87,80.01 arc(76.07,80.14) 76.31,80.19 76.59,80.19 arc(76.77,80.12) 76.84,79.94 76.84,79.82 arc(77.09,79.58) 77.34,79.82 77.34,79.94 arc(77.41,80.12) 77.58,80.19 80.23,80.19 arc(80.29,80.17) 80.31,80.11 arc(80.33,80.06) 80.39,80.03 80.73,80.03 arc(80.78,80.06) 80.81,80.11 arc(80.83,80.17) 80.89,80.19 83.4,80.19 arc(83.64,80.24) 83.84,80.37 84.75,81.28 arc(84.88,81.33) 85.01,81.28 85.9,80.39 U14.P4
ETH1_MDI1-: length 18.2
  TOP w0.089: U13.5 70.82,82.4
  TOP w0.124: v1(75.64,80.54) 73.98,80.54 arc(73.9,80.56) 73.83,80.61 72.21,82.22 arc(72.01,82.35) 71.77,82.4 70.82,82.4
  BOTTOM w0.124: U14.P7 84.43,83.13 arc(84.56,82.93) 84.61,82.7 84.61,81.89 arc(84.56,81.66) 84.43,81.45 83.59,80.62 arc(83.51,80.56) 83.4,80.54 v1(75.64,80.54)
ETH1_MDI2+: length 15.7
  TOP w0.089: 70.82,82.8 U13.6
  TOP w0.124: 70.82,82.8 71.75,82.8 71.77,82.82 76.55,82.82 arc(76.61,82.8) 76.63,82.75 arc(76.65,82.7) 76.7,82.68 77.05,82.68 arc(77.1,82.7) 77.12,82.75 arc(77.14,82.8) 77.2,82.82 77.54,82.82 arc(77.6,82.8) 77.62,82.75 arc(77.64,82.7) 77.69,82.68 78.04,82.68 arc(78.09,82.7) 78.11,82.75 arc(78.14,82.8) 78.19,82.82 83.91,82.82 arc(84.01,82.8) 84.1,82.75 84.41,82.43 83.73,81.75 arc(83.63,81.68) 83.51,81.66 U14.P5
ETH1_MDI2-: length 15.7
  TOP w0.089: 70.82,83.2 U13.7
  TOP w0.124: U14.P6 85.69,82.71 arc(85.49,82.58) 85.25,82.53 84.97,82.53 arc(84.83,82.56) 84.71,82.64 84.35,83 arc(84.15,83.13) 83.91,83.18 71.77,83.18 71.75,83.2 70.82,83.2
ETH1_MDI3+: length 16.1
  TOP w0.089: 70.82,84 U13.9
  TOP w0.124: U14.P8 85.82,85.55 arc(85.74,85.61) 85.65,85.62 84.84,85.62 arc(84.76,85.61) 84.69,85.56 84.47,85.34 82.1,85.34 arc(82.02,85.33) 81.95,85.28 80.86,84.19 arc(80.68,84.07) 80.46,84.02 77.27,84.02 arc(77.22,84.01) 77.2,83.96 arc(77.18,83.91) 77.14,83.89 76.77,83.89 arc(76.73,83.91) 76.71,83.96 arc(76.69,84.01) 76.64,84.02 71.68,84.02 71.66,84 70.82,84
ETH1_MDI3-: length 16.1
  TOP w0.089: 70.82,84.4 U13.10
  TOP w0.124: 70.82,84.4 71.66,84.4 71.68,84.38 80.46,84.38 arc(80.54,84.39) 80.61,84.44 81.71,85.53 arc(81.89,85.65) 82.1,85.7 84.33,85.7 84.48,85.85 arc(84.53,85.98) 84.48,86.11 84.01,86.57 arc(83.83,86.69) 83.62,86.74 U14.P9
ETH1_REFCLKO25M: length 33.1
  TOP w0.089: U13.37 68.79,79.97
  TOP w0.104: 68.79,79.97 68.79,75.98 68.02,75.21 54.66,75.21 53.54,74.09 v1(53.54,66.6) ; R93.1 v1(49.02,66.62)
  BOTTOM w0.104: v1(53.54,66.6) 53.52,66.62 v1(49.02,66.62)
ETH1_REFCLKO25M_SOC: length 4.1
  TOP w0.089: U5.AG2 49.49,61.48 49.02,61.95 49.02,62.49
  TOP w0.104: 49.02,62.49 R93.2
ETH1_VCC_1V: length 16.1
  TOP w0.089: 69.99,79.97 U13.40 ; U13.11 69.99,85.23 ; 65.56,84.4 U13.21 ; U13.38 69.19,79.97
  TOP w0.152: 69.19,79.97 69.19,79.22 v2(69.32,79.1) ; 65.56,84.4 65.21,84.4 v2(64.85,84.76) ; v2(70.1,85.98) 69.99,85.86 69.99,85.23 ; 69.99,79.97 69.99,79.66 70.15,79.5 v2(71.3,79.5)
  TOP w0.203: v1(71.72,83.6) v1(71.27,83.6) U13.8 ; v1(71.72,81.6) v1(71.27,81.6) U13.3
  BOTTOM w0.152: v2(69.32,79.1) 69.67,78.74 C190.1 ; v2(64.85,84.76) 64.34,84.76 64.05,84.48 C192.1 ; v2(70.1,85.98) 70.77,85.98 70.91,85.84 C194.1 ; v1(71.27,83.6) v1(71.72,83.6) 71.91,83.6 71.92,83.61 C188.1 ; C193.1 72,78.8 v2(71.3,79.5) ; v1(71.27,81.6) v1(71.72,81.6) 71.92,81.6 71.92,81.61 C189.1
  vias: v3(57.51,77.44) v3(58.52,77.44) v3(59.54,77.44)
GMAC0_INT/PMEB: length 47.9
  SIG w0.104: v1(64.63,3.29) 63.8,4.11 61.42,4.11 46.05,19.48 v1(46.05,37.52)